# Altium PCB Zynq-Video-Board.PcbDoc (part 6 of 7) (continued)
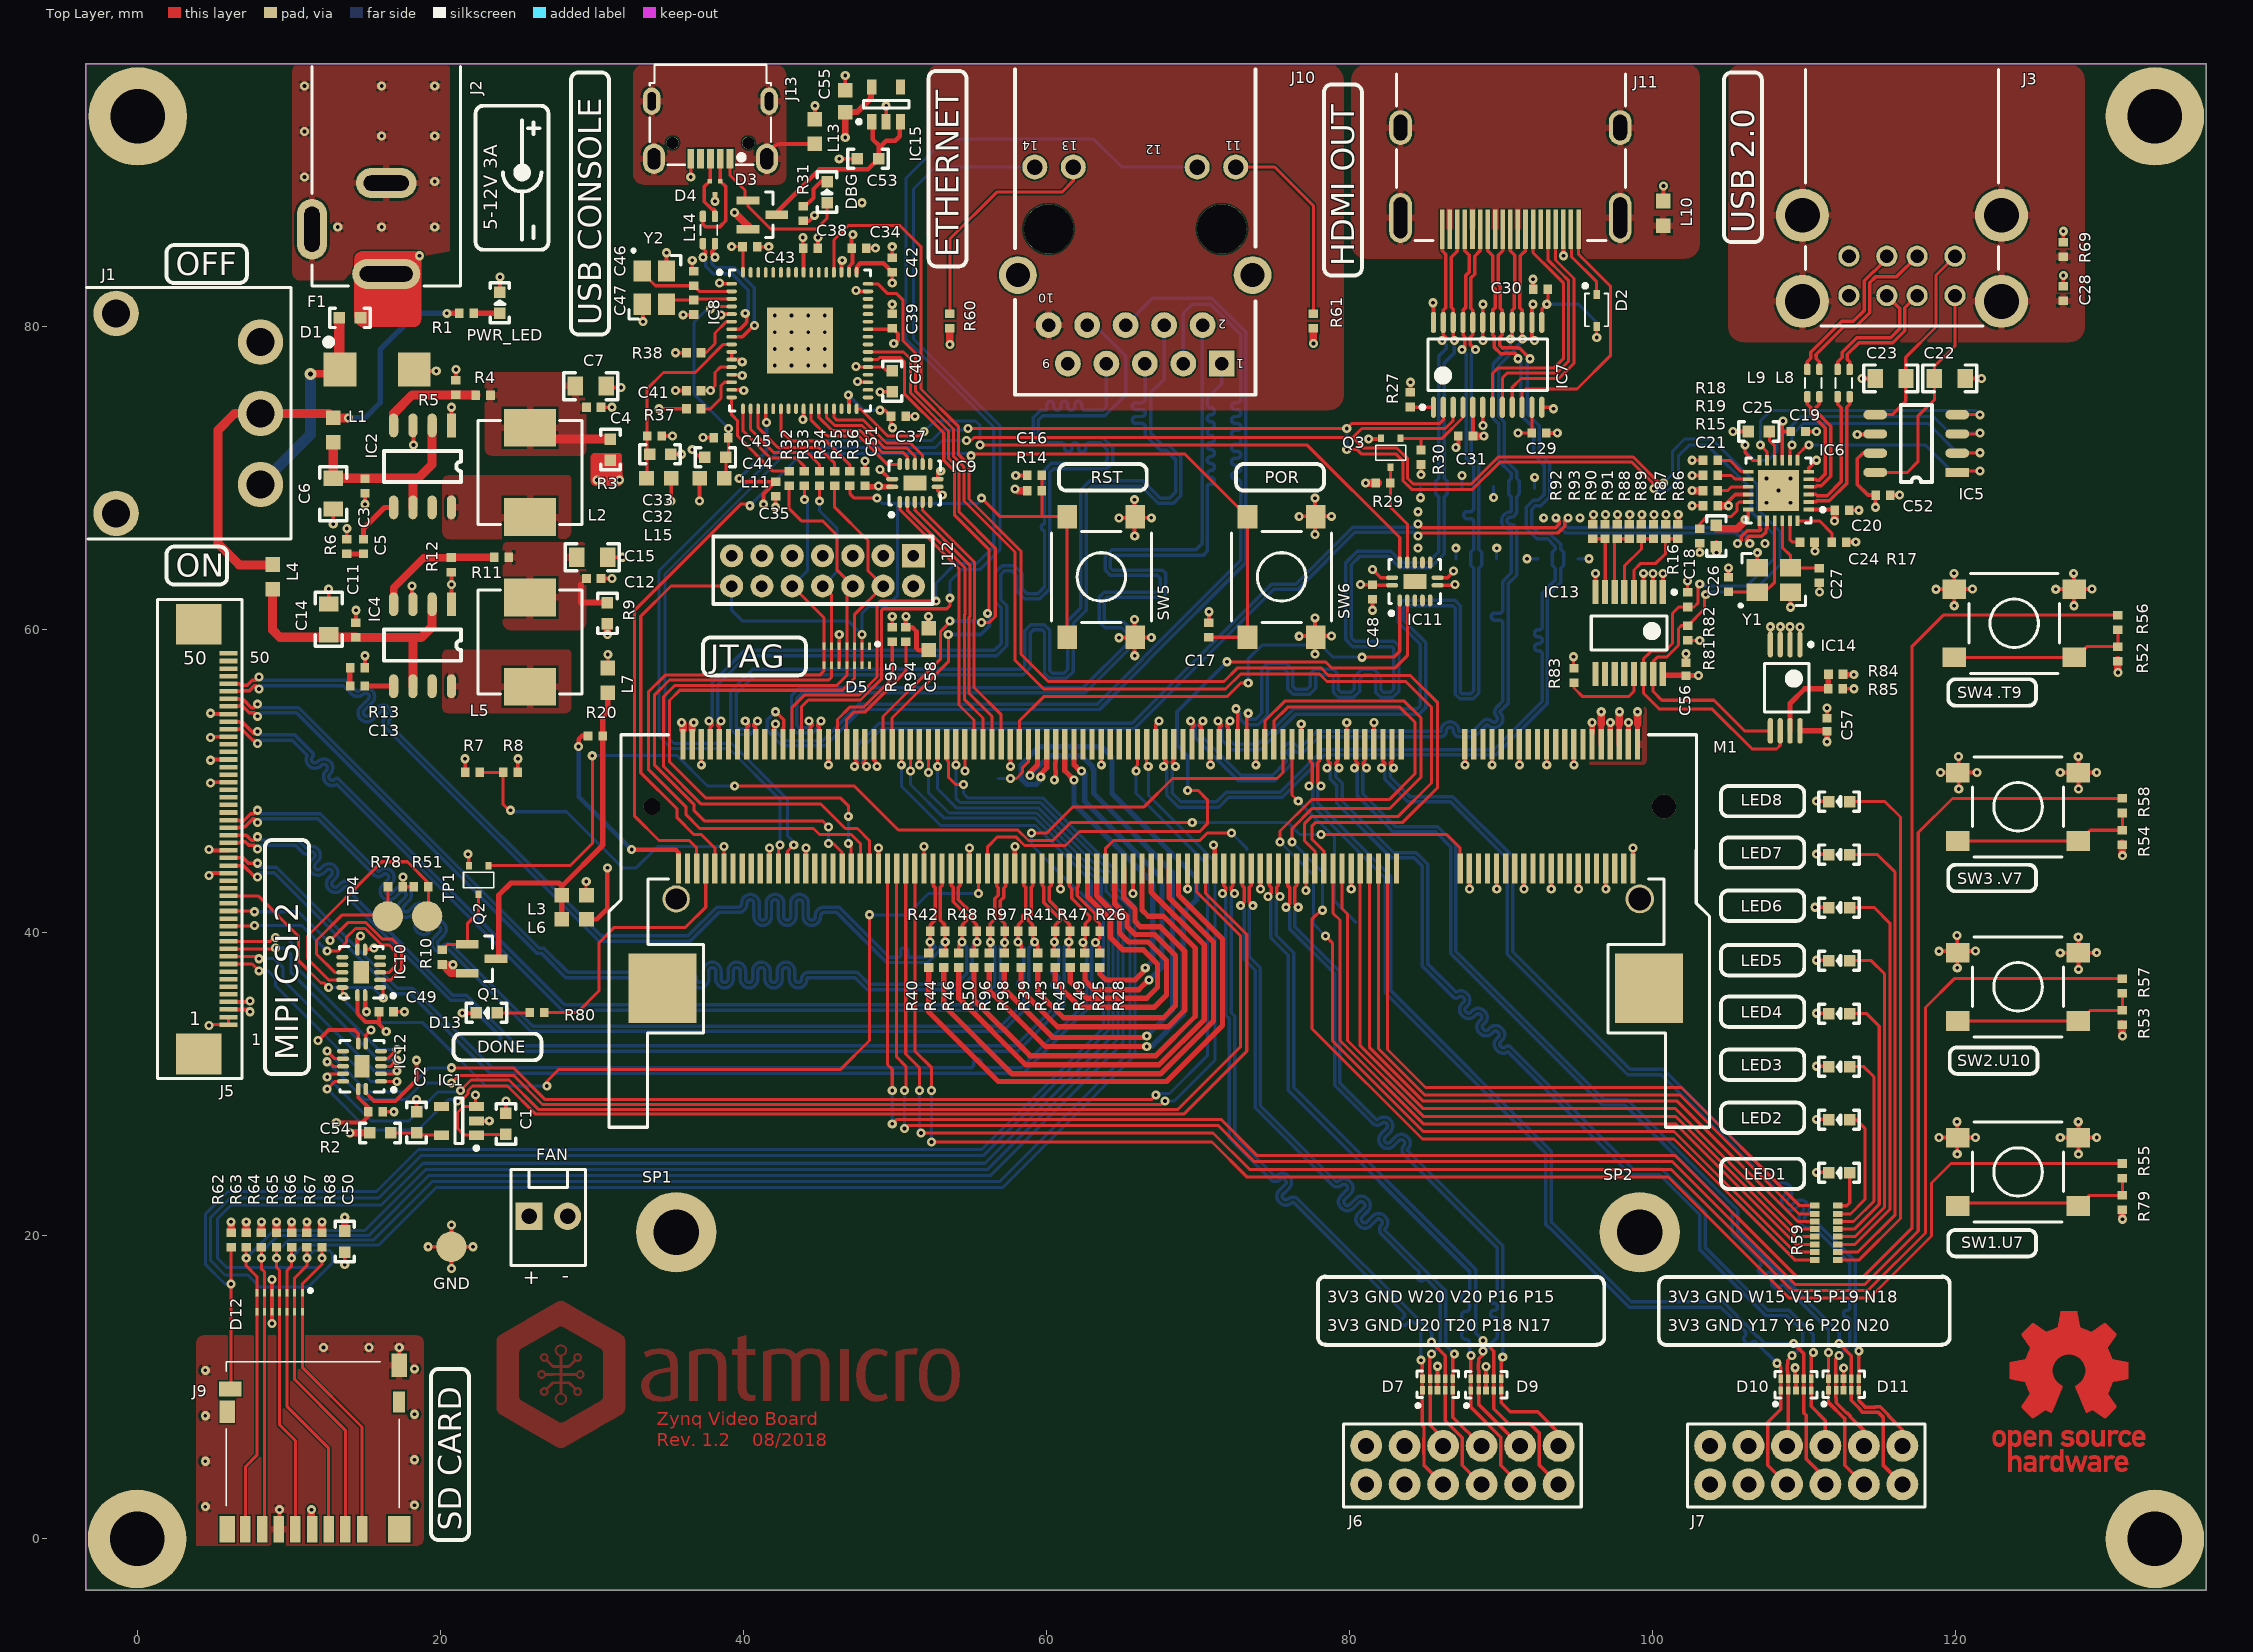
[diagram p0: Top Layer view]
## Nets (pads, with @x,y where several pads share a name; then routed paths per layer and width w, separated by ;. In a path a pad name is that pad's centre, name@x,y a point inside that pad or via, vN(x,y) a via of type N, cw(c..) or ccw(c..) an arc to the next point about the centre after c; other vN are vias at no path point) (continued)
 130.918,10.499 ; 128.429,10.512 130.984,10.512 ; 128.429,11.743 131.011,11.743 ; 128.442,5.189 128.64,5.189 ; 128.442,5.202 128.64,5.202 ; 128.442,5.215 128.64,5.215 ; 128.442,8.87 130.574,8.87 ; 128.442,8.883 130.574,8.883 ; 128.442,10.525 131.064,10.525 ; 128.442,11.717 131.143,11.717 ; 128.442,11.73 131.077,11.73 ; 128.455,5.228 128.654,5.228 ; 128.455,5.242 128.654,5.242 ; 128.455,5.255 128.654,5.255 ; 128.455,5.268 128.667,5.268 ; 128.455,8.83 130.6,8.83 ; 128.455,8.843 130.6,8.843 ; 128.455,8.857 130.587,8.857 ; 128.455,10.538 131.13,10.538 ; 128.455,10.552 131.196,10.552 ; 128.455,11.704 131.223,11.704 ; 128.468,5.281 128.667,5.281 ; 128.468,5.295 128.667,5.295 ; 128.468,5.308 128.68,5.308 ; 128.468,5.321 128.68,5.321 ; 128.468,6.976 128.786,6.976 ; 128.468,8.804 130.627,8.804 ; 128.468,8.817 130.613,8.817 ; 128.468,10.565 131.276,10.565 ; 128.468,11.677 131.355,11.677 ; 128.468,11.69 131.289,11.69 ; 128.482,5.334 128.68,5.334 ; 128.482,5.348 128.693,5.348 ; 128.482,5.361 128.693,5.361 ; 128.482,6.327 128.786,6.327 ; 128.482,8.777 130.64,8.777 ; 128.482,8.79 130.627,8.79 ; 128.482,10.578 131.342,10.578 ; 128.482,10.591 131.395,10.591 ; 128.482,11.651 131.421,11.651 ; 128.482,11.664 131.408,11.664 ; 128.495,5.374 128.693,5.374 ; 128.495,5.387 128.707,5.387 ; 128.495,5.4 128.707,5.4 ; 128.495,5.414 128.707,5.414 ; 128.495,8.737 130.653,8.737 ; 128.495,8.751 130.653,8.751 ; 128.495,8.764 130.64,8.764 ; 128.495,10.605 131.421,10.605 ; 128.495,10.618 131.421,10.618 ; 128.495,11.624 131.434,11.624 ; 128.495,11.637 131.434,11.637 ; 128.508,5.427 128.72,5.427 ; 128.508,5.44 128.72,5.44 ; 128.508,5.453 128.72,5.453 ; 128.508,5.467 128.72,5.467 ; 128.508,6.341 128.799,6.341 ; 128.508,6.963 128.799,6.963 ; 128.508,8.711 130.64,8.711 ; 128.508,8.724 130.64,8.724 ; 128.508,10.631 131.434,10.631 ; 128.508,10.644 131.434,10.644 ; 128.508,11.598 131.434,11.598 ; 128.508,11.611 131.434,11.611 ; 128.521,5.48 128.733,5.48 ; 128.521,5.493 128.733,5.493 ; 128.521,5.506 128.733,5.506 ; 128.521,8.671 130.6,8.671 ; 128.521,8.684 130.613,8.684 ; 128.521,8.698 130.627,8.698 ; 128.521,10.658 131.434,10.658 ; 128.521,10.671 131.434,10.671 ; 128.521,11.571 131.434,11.571 ; 128.521,11.584 131.434,11.584 ; 128.534,6.354 128.799,6.354 ; 128.534,6.95 128.799,6.95 ; 128.534,8.645 130.574,8.645 ; 128.534,8.658 130.587,8.658 ; 128.534,10.684 131.434,10.684 ; 128.534,10.697 131.434,10.697 ; 128.534,10.71 131.434,10.71 ; 128.534,11.545 131.434,11.545 ; 128.534,11.558 131.434,11.558 ; 128.548,8.618 130.547,8.618 ; 128.548,8.632 130.561,8.632 ; 128.548,10.724 131.434,10.724 ; 128.548,10.737 131.434,10.737 ; 128.548,10.75 131.434,10.75 ; 128.548,11.505 131.434,11.505 ; 128.548,11.518 131.434,11.518 ; 128.548,11.531 131.434,11.531 ; 128.561,6.367 128.813,6.367 ; 128.561,6.937 128.813,6.937 ; 128.561,8.579 130.508,8.579 ; 128.561,8.592 130.521,8.592 ; 128.561,8.605 130.534,8.605 ; 128.561,10.763 131.434,10.763 ; 128.561,10.777 131.434,10.777 ; 128.561,10.79 131.434,10.79 ; 128.561,11.465 131.434,11.465 ; 128.561,11.479 131.434,11.479 ; 128.561,11.492 131.434,11.492 ; 128.574,6.38 128.813,6.38 ; 128.574,6.923 128.813,6.923 ; 128.574,8.552 130.481,8.552 ; 128.574,8.565 130.494,8.565 ; 128.574,10.803 131.434,10.803 ; 128.574,10.816 131.434,10.816 ; 128.574,10.83 131.434,10.83 ; 128.574,11.426 131.434,11.426 ; 128.574,11.439 131.434,11.439 ; 128.574,11.452 131.434,11.452 ; 128.587,6.394 128.813,6.394 ; 128.587,6.91 128.813,6.91 ; 128.587,8.512 128.998,8.512 ; 128.587,8.526 129.024,8.526 ; 128.587,8.539 129.064,8.539 ; 128.587,10.843 131.434,10.843 ; 128.587,10.856 131.434,10.856 ; 128.587,10.869 131.434,10.869 ; 128.587,10.883 131.434,10.883 ; 128.587,11.373 131.434,11.373 ; 128.587,11.386 131.434,11.386 ; 128.587,11.399 131.434,11.399 ; 128.587,11.412 131.434,11.412 ; 128.601,6.407 128.826,6.407 ; 128.601,6.42 128.826,6.42 ; 128.601,6.884 128.826,6.884 ; 128.601,6.897 128.826,6.897 ; 128.601,8.486 128.945,8.486 ; 128.601,8.499 128.971,8.499 ; 128.601,10.896 131.434,10.896 ; 128.601,10.909 131.434,10.909 ; 128.601,10.922 131.434,10.922 ; 128.601,10.936 131.434,10.936 ; 128.601,10.949 131.434,10.949 ; 128.601,11.293 131.434,11.293 ; 128.601,11.306 131.434,11.306 ; 128.601,11.32 131.434,11.32 ; 128.601,11.333 131.434,11.333 ; 128.601,11.346 131.434,11.346 ; 128.601,11.359 131.434,11.359 ; 128.614,6.433 128.826,6.433 ; 128.614,6.447 128.826,6.447 ; 128.614,6.857 128.826,6.857 ; 128.614,6.87 128.826,6.87 ; 128.614,8.446 128.879,8.446 ; 128.614,8.459 128.905,8.459 ; 128.614,8.473 128.919,8.473 ; 128.614,10.962 131.434,10.962 ; 128.614,10.975 131.434,10.975 ; 128.614,10.989 131.434,10.989 ; 128.614,11.002 131.434,11.002 ; 128.614,11.015 131.434,11.015 ; 128.614,11.028 131.434,11.028 ; 128.614,11.042 131.434,11.042 ; 128.614,11.055 131.434,11.055 ; 128.614,11.068 131.434,11.068 ; 128.614,11.081 131.434,11.081 ; 128.614,11.095 131.434,11.095 ; 128.614,11.108 131.434,11.108 ; 128.614,11.134 131.434,11.134 ; 128.614,11.147 131.434,11.147 ; 128.614,11.161 131.434,11.161 ; 128.614,11.174 131.434,11.174 ; 128.614,11.187 131.434,11.187 ; 128.614,11.2 131.434,11.2 ; 128.614,11.214 131.434,11.214 ; 128.614,11.227 131.434,11.227 ; 128.614,11.24 131.434,11.24 ; 128.614,11.253 131.434,11.253 ; 128.614,11.267 131.434,11.267 ; 128.614,11.28 131.434,11.28 ; 128.627,6.46 128.826,6.46 ; 128.627,6.473 128.839,6.473 ; 128.627,6.486 128.839,6.486 ; 128.627,6.817 128.839,6.817 ; 128.627,6.831 128.839,6.831 ; 128.627,6.844 128.826,6.844 ; 128.627,8.42 128.826,8.42 ; 128.627,8.433 128.852,8.433 ; 128.627,11.121 131.434,11.121 ; 128.64,6.5 128.839,6.5 ; 128.64,6.513 128.839,6.513 ; 128.64,6.526 128.839,6.526 ; 128.64,6.539 128.839,6.539 ; 128.64,6.553 128.839,6.553 ; 128.64,6.566 128.839,6.566 ; 128.64,6.579 128.839,6.579 ; 128.64,6.592 128.839,6.592 ; 128.64,6.605 128.839,6.605 ; 128.64,6.619 128.839,6.619 ; 128.64,6.632 128.852,6.632 ; 128.64,6.645 128.852,6.645 ; 128.64,6.658 128.852,6.658 ; 128.64,6.672 128.852,6.672 ; 128.64,6.685 128.839,6.685 ; 128.64,6.698 128.839,6.698 ; 128.64,6.711 128.839,6.711 ; 128.64,6.725 128.839,6.725 ; 128.64,6.738 128.839,6.738 ; 128.64,6.751 128.839,6.751 ; 128.64,6.764 128.839,6.764 ; 128.64,6.778 128.839,6.778 ; 128.64,6.791 128.839,6.791 ; 128.64,6.804 128.839,6.804 ; 128.64,8.393 128.773,8.393 ; 128.64,8.406 128.799,8.406 ; 128.654,8.367 128.72,8.367 ; 128.654,8.38 128.746,8.38 ; 128.667,8.353 128.693,8.353 ; 128.773,4.699 128.998,4.699 ; 128.773,4.712 128.985,4.712 ; 128.773,4.725 128.971,4.725 ; 128.773,4.738 128.971,4.738 ; 128.773,4.752 128.971,4.752 ; 128.773,4.765 128.958,4.765 ; 128.773,4.778 128.958,4.778 ; 128.773,4.791 128.958,4.791 ; 128.773,4.805 128.958,4.805 ; 128.773,4.818 128.958,4.818 ; 128.773,4.831 128.971,4.831 ; 128.773,4.844 128.971,4.844 ; 128.786,4.659 129.064,4.659 ; 128.786,4.672 129.038,4.672 ; 128.786,4.685 129.011,4.685 ; 128.786,4.858 128.985,4.858 ; 128.786,4.871 128.998,4.871 ; 128.786,4.884 129.011,4.884 ; 128.786,4.897 129.038,4.897 ; 128.799,4.632 129.607,4.632 ; 128.799,4.646 129.607,4.646 ; 128.799,4.911 129.091,4.911 ; 128.799,4.924 129.607,4.924 ; 128.813,4.606 129.607,4.606 ; 128.813,4.619 129.607,4.619 ; 128.813,4.937 129.607,4.937 ; 128.826,4.593 129.607,4.593 ; 128.826,4.95 129.607,4.95 ; 128.826,4.963 129.607,4.963 ; 128.826,5.374 129.554,5.374 ; 128.839,4.579 129.607,4.579 ; 128.839,4.977 129.607,4.977 ; 128.839,5.361 129.567,5.361 ; 128.839,5.387 129.541,5.387 ; 128.839,5.4 129.541,5.4 ; 128.852,4.566 129.607,4.566 ; 128.852,4.99 129.607,4.99 ; 128.852,5.414 129.528,5.414 ; 128.866,4.553 129.382,4.553 ; 128.866,5.003 129.607,5.003 ; 128.866,5.348 129.567,5.348 ; 128.866,5.427 129.514,5.427 ; 128.879,4.54 129.369,4.54 ; 128.879,5.334 129.157,5.334 ; 128.879,5.44 129.501,5.44 ; 128.892,4.527 129.355,4.527 ; 128.892,5.016 129.607,5.016 ; 128.892,5.321 129.064,5.321 ; 128.905,5.03 129.607,5.03 ; 128.905,5.453 129.475,5.453 ; 128.919,4.513 129.342,4.513 ; 128.919,5.308 129.038,5.308 ; 128.919,5.467 129.448,5.467 ; 128.932,5.043 129.607,5.043 ; 128.932,5.295 129.011,5.295 ; 128.945,4.5 129.329,4.5 ; 128.945,5.281 128.998,5.281 ; 128.945,5.48 129.435,5.48 ; 128.958,5.056 129.607,5.056 ; 128.971,4.487 129.303,4.487 ; 128.971,5.268 128.998,5.268 ; 128.971,5.493 129.395,5.493 ; 129.011,4.474 129.263,4.474 ; 129.011,5.069 129.607,5.069 ; 129.024,5.506 129.355,5.506 ; 129.038,6.42 129.276,6.42 ; 129.038,6.433 129.263,6.433 ; 129.038,6.447 129.263,6.447 ; 129.038,6.46 129.25,6.46 ; 129.038,6.473 129.25,6.473 ; 129.038,6.486 129.25,6.486 ; 129.038,6.5 129.25,6.5 ; 129.038,6.513 129.236,6.513 ; 129.038,6.526 129.236,6.526 ; 129.038,6.539 129.236,6.539 ; 129.038,6.553 129.236,6.553 ; 129.038,6.566 129.236,6.566 ; 129.038,6.579 129.236,6.579 ; 129.038,6.592 129.236,6.592 ; 129.038,6.605 129.236,6.605 ; 129.038,6.619 129.236,6.619 ; 129.038,6.632 129.236,6.632 ; 129.038,6.645 129.236,6.645 ; 129.038,6.658 129.236,6.658 ; 129.038,6.672 129.236,6.672 ; 129.038,6.685 129.236,6.685 ; 129.038,6.698 129.236,6.698 ; 129.038,6.711 129.236,6.711 ; 129.038,6.725 129.236,6.725 ; 129.038,6.738 129.236,6.738 ; 129.038,6.751 129.236,6.751 ; 129.038,6.764 129.236,6.764 ; 129.038,6.778 129.236,6.778 ; 129.038,6.791 129.236,6.791 ; 129.038,6.804 129.236,6.804 ; 129.038,6.817 129.236,6.817 ; 129.038,6.831 129.236,6.831 ; 129.038,6.844 129.236,6.844 ; 129.038,6.857 129.236,6.857 ; 129.038,6.87 129.236,6.87 ; 129.038,6.884 129.236,6.884 ; 129.038,6.897 129.236,6.897 ; 129.038,6.91 129.236,6.91 ; 129.038,6.923 129.236,6.923 ; 129.038,6.937 129.236,6.937 ; 129.038,6.95 129.236,6.95 ; 129.038,6.963 129.236,6.963 ; 129.038,6.976 129.236,6.976 ; 129.038,6.99 129.236,6.99 ; 129.038,7.003 129.236,7.003 ; 129.038,7.016 129.236,7.016 ; 129.038,7.029 129.236,7.029 ; 129.038,7.042 129.236,7.042 ; 129.038,7.056 129.236,7.056 ; 129.038,7.069 129.236,7.069 ; 129.038,7.082 129.236,7.082 ; 129.038,7.095 129.236,7.095 ; 129.038,7.109 129.236,7.109 ; 129.038,7.122 129.236,7.122 ; 129.038,7.135 129.236,7.135 ; 129.038,7.148 129.236,7.148 ; 129.038,7.162 129.236,7.162 ; 129.038,13.677 130.508,13.677 ; 129.051,6.367 129.316,6.367 ; 129.051,6.38 129.303,6.38 ; 129.051,6.394 129.289,6.394 ; 129.051,6.407 129.276,6.407 ; 129.064,6.327 129.395,6.327 ; 129.064,6.341 129.355,6.341 ; 129.064,6.354 129.329,6.354 ; 129.064,13.69 130.494,13.69 ; 129.077,6.301 129.872,6.301 ; 129.077,6.314 129.872,6.314 ; 129.077,13.703 130.481,13.703 ; 129.091,6.274 129.872,6.274 ; 129.091,6.288 129.872,6.288 ; 129.091,8.539 130.468,8.539 ; 129.091,13.716 130.468,13.716 ; 129.104,5.52 129.276,5.52 ; 129.104,6.261 129.872,6.261 ; 129.117,4.46 129.157,4.46 ; 129.117,6.248 129.872,6.248 ; 129.117,8.526 130.455,8.526 ; 129.117,13.73 130.455,13.73 ; 129.13,6.235 129.647,6.235 ; 129.13,13.743 130.441,13.743 ; 129.144,6.221 129.634,6.221 ; 129.144,8.512 130.441,8.512 ; 129.157,6.208 129.62,6.208 ; 129.157,8.499 130.428,8.499 ; 129.157,13.756 130.428,13.756 ; 129.17,6.195 129.607,6.195 ; 129.17,13.769 130.415,13.769 ; 129.183,6.182 129.594,6.182 ; 129.183,8.486 130.415,8.486 ; 129.197,5.334 129.581,5.334 ; 129.197,8.473 130.402,8.473 ; 129.197,13.783 130.402,13.783 ; 129.21,6.169 129.567,6.169 ; 129.21,13.796 130.388,13.796 ; 129.223,8.459 130.388,8.459 ; 129.236,6.155 129.541,6.155 ; 129.236,8.446 130.375,8.446 ; 129.236,13.809 130.375,13.809 ; 129.25,8.433 130.362,8.433 ; 129.25,13.822 130.362,13.822 ; 129.263,6.142 129.514,6.142 ; 129.276,8.42 130.349,8.42 ; 129.276,13.836 130.349,13.836 ; 129.289,8.406 130.335,8.406 ; 129.289,13.849 130.335,13.849 ; 129.303,4.659 129.607,4.659 ; 129.303,5.321 129.581,5.321 ; 129.303,6.129 129.475,6.129 ; 129.316,8.393 130.322,8.393 ; 129.316,13.862 130.322,13.862 ; 129.329,4.672 129.607,4.672 ; 129.329,8.38 130.309,8.38 ; 129.329,13.875 130.309,13.875 ; 129.342,5.308 129.581,5.308 ; 129.342,13.889 130.296,13.889 ; 129.355,4.685 129.607,4.685 ; 129.355,5.295 129.594,5.295 ; 129.355,8.367 130.296,8.367 ; 129.369,4.699 129.607,4.699 ; 129.369,8.353 130.282,8.353 ; 129.369,13.902 130.282,13.902 ; 129.382,4.712 129.607,4.712 ; 129.382,4.725 129.607,4.725 ; 129.382,5.268 129.594,5.268 ; 129.382,5.281 129.594,5.281 ; 129.382,13.915 130.269,13.915 ; 129.395,4.738 129.607,4.738 ; 129.395,4.752 129.607,4.752 ; 129.395,4.765 129.607,4.765 ; 129.395,4.778 129.607,4.778 ; 129.395,4.791 129.607,4.791 ; 129.395,4.805 129.607,4.805 ; 129.395,4.818 129.607,4.818 ; 129.395,4.911 129.607,4.911 ; 129.395,5.083 129.607,5.083 ; 129.395,5.215 129.607,5.215 ; 129.395,5.228 129.594,5.228 ; 129.395,5.242 129.594,5.242 ; 129.395,5.255 129.594,5.255 ; 129.395,8.34 130.269,8.34 ; 129.408,4.474 129.607,4.474 ; 129.408,4.487 129.607,4.487 ; 129.408,4.5 129.607,4.5 ; 129.408,4.513 129.607,4.513 ; 129.408,4.527 129.607,4.527 ; 129.408,4.54 129.607,4.54 ; 129.408,4.553 129.607,4.553 ; 129.408,4.831 129.607,4.831 ; 129.408,4.844 129.607,4.844 ; 129.408,4.858 129.607,4.858 ; 129.408,4.871 129.607,4.871 ; 129.408,4.884 129.607,4.884 ; 129.408,4.897 129.607,4.897 ; 129.408,5.096 129.607,5.096 ; 129.408,5.109 129.607,5.109 ; 129.408,5.122 129.607,5.122 ; 129.408,5.136 129.607,5.136 ; 129.408,5.149 129.607,5.149 ; 129.408,5.162 129.607,5.162 ; 129.408,5.175 129.607,5.175 ; 129.408,5.189 129.607,5.189 ; 129.408,5.202 129.607,5.202 ; 129.408,8.327 130.256,8.327 ; 129.408,13.928 130.256,13.928 ; 129.422,13.942 130.243,13.942 ; 129.435,8.314 130.243,8.314 ; 129.448,8.3 130.229,8.3 ; 129.448,13.955 130.229,13.955 ; 129.461,8.287 130.216,8.287 ; 129.461,13.968 130.216,13.968 ; 129.488,8.274 130.203,8.274 ; 129.488,13.981 130.203,13.981 ; 129.501,6.327 129.872,6.327 ; 129.501,8.261 130.19,8.261 ; 129.501,13.994 130.19,13.994 ; 129.528,8.247 130.176,8.247 ; 129.528,14.008 130.176,14.008 ; 129.541,6.341 129.872,6.341 ; 129.541,8.234 130.163,8.234 ; 129.541,14.021 130.163,14.021 ; 129.554,14.034 130.15,14.034 ; 129.567,6.354 129.872,6.354 ; 129.567,8.221 130.15,8.221 ; 129.581,8.208 130.137,8.208 ; 129.581,14.047 130.137,14.047 ; 129.594,6.367 129.872,6.367 ; 129.594,14.061 130.124,14.061 ; 129.607,6.38 129.872,6.38 ; 129.607,6.394 129.872,6.394 ; 129.607,8.195 130.124,8.195 ; 129.62,6.407 129.872,6.407 ; 129.62,8.181 130.11,8.181 ; 129.62,14.074 130.11,14.074 ; 129.634,6.42 129.872,6.42 ; 129.634,6.433 129.872,6.433 ; 129.634,14.087 130.097,14.087 ; 129.647,6.447 129.872,6.447 ; 129.647,6.46 129.872,6.46 ; 129.647,8.168 130.097,8.168 ; 129.66,6.142 129.872,6.142 ; 129.66,6.155 129.872,6.155 ; 129.66,6.169 129.872,6.169 ; 129.66,6.182 129.872,6.182 ; 129.66,6.195 129.872,6.195 ; 129.66,6.208 129.872,6.208 ; 129.66,6.221 129.872,6.221 ; 129.66,6.235 129.872,6.235 ; 129.66,6.473 129.872,6.473 ; 129.66,6.486 129.872,6.486 ; 129.66,6.5 129.872,6.5 ; 129.66,6.513 129.872,6.513 ; 129.66,6.526 129.872,6.526 ; 129.66,6.539 129.872,6.539 ; 129.66,6.553 129.872,6.553 ; 129.66,6.566 129.872,6.566 ; 129.66,6.579 129.872,6.579 ; 129.66,6.592 129.872,6.592 ; 129.66,6.605 129.872,6.605 ; 129.66,6.619 129.872,6.619 ; 129.66,6.632 129.872,6.632 ; 129.66,6.645 129.872,6.645 ; 129.66,6.658 129.872,6.658 ; 129.66,6.672 129.872,6.672 ; 129.66,6.685 129.872,6.685 ; 129.66,6.698 129.872,6.698 ; 129.66,6.711 129.872,6.711 ; 129.66,6.725 129.872,6.725 ; 129.66,6.738 129.872,6.738 ; 129.66,6.751 129.872,6.751 ; 129.66,6.764 129.872,6.764 ; 129.66,6.778 129.872,6.778 ; 129.66,6.791 129.872,6.791 ; 129.66,6.804 129.872,6.804 ; 129.66,6.817 129.872,6.817 ; 129.66,6.831 129.872,6.831 ; 129.66,6.844 129.872,6.844 ; 129.66,6.857 129.872,6.857 ; 129.66,6.87 129.872,6.87 ; 129.66,6.884 129.872,6.884 ; 129.66,6.897 129.872,6.897 ; 129.66,6.91 129.872,6.91 ; 129.66,6.923 129.872,6.923 ; 129.66,6.937 129.872,6.937 ; 129.66,6.95 129.872,6.95 ; 129.66,6.963 129.872,6.963 ; 129.66,6.976 129.872,6.976 ; 129.66,6.99 129.872,6.99 ; 129.66,7.003 129.872,7.003 ; 129.66,7.016 129.872,7.016 ; 129.66,7.029 129.872,7.029 ; 129.66,7.042 129.872,7.042 ; 129.66,7.056 129.872,7.056 ; 129.66,7.069 129.872,7.069 ; 129.66,7.082 129.872,7.082 ; 129.66,7.095 129.872,7.095 ; 129.66,7.109 129.872,7.109 ; 129.66,7.122 129.872,7.122 ; 129.66,7.135 129.872,7.135 ; 129.66,7.148 129.872,7.148 ; 129.66,7.162 129.872,7.162 ; 129.66,8.155 130.084,8.155 ; 129.66,14.1 130.084,14.1 ; 129.673,8.142 130.071,8.142 ; 129.673,14.114 130.071,14.114 ; 129.7,8.128 130.057,8.128 ; 129.7,14.127 130.057,14.127 ; 129.713,8.115 130.044,8.115 ; 129.713,14.14 130.044,14.14 ; 129.74,8.102 130.031,8.102 ; 129.74,14.153 130.031,14.153 ; 129.753,8.089 130.018,8.089 ; 129.753,14.167 130.018,14.167 ; 129.766,14.18 130.004,14.18 ; 129.779,8.075 130.004,8.075 ; 129.792,8.062 129.991,8.062 ; 129.792,14.193 129.991,14.193 ; 129.806,14.206 129.978,14.206 ; 129.819,8.049 129.978,8.049 ; 129.832,8.036 129.965,8.036 ; 129.832,14.22 129.965,14.22 ; 129.845,4.474 130.044,4.474 ; 129.845,4.487 130.044,4.487 ; 129.845,4.5 130.044,4.5 ; 129.845,4.513 130.044,4.513 ; 129.845,4.527 130.044,4.527 ; 129.845,4.54 130.044,4.54 ; 129.845,4.553 130.044,4.553 ; 129.845,4.566 130.044,4.566 ; 129.845,4.579 130.044,4.579 ; 129.845,4.593 130.044,4.593 ; 129.845,4.606 130.044,4.606 ; 129.845,4.619 130.044,4.619 ; 129.845,4.632 130.044,4.632 ; 129.845,4.646 130.044,4.646 ; 129.845,4.659 130.044,4.659 ; 129.845,4.672 130.044,4.672 ; 129.845,4.685 130.044,4.685 ; 129.845,4.699 130.044,4.699 ; 129.845,4.712 130.044,4.712 ; 129.845,4.725 130.044,4.725 ; 129.845,4.738 130.044,4.738 ; 129.845,4.752 130.044,4.752 ; 129.845,4.765 130.044,4.765 ; 129.845,4.778 130.044,4.778 ; 129.845,4.791 130.044,4.791 ; 129.845,4.805 130.044,4.805 ; 129.845,4.818 130.044,4.818 ; 129.845,4.831 130.044,4.831 ; 129.845,4.844 130.044,4.844 ; 129.845,4.858 130.044,4.858 ; 129.845,4.871 130.044,4.871 ; 129.845,4.884 130.044,4.884 ; 129.845,4.897 130.044,4.897 ; 129.845,4.911 130.044,4.911 ; 129.845,4.924 130.044,4.924 ; 129.845,4.937 130.044,4.937 ; 129.845,4.95 130.044,4.95 ; 129.845,4.963 130.044,4.963 ; 129.845,4.977 130.044,4.977 ; 129.845,4.99 130.044,4.99 ; 129.845,5.003 130.044,5.003 ; 129.845,5.016 130.044,5.016 ; 129.845,5.03 130.044,5.03 ; 129.845,5.043 130.044,5.043 ; 129.845,5.056 130.044,5.056 ; 129.845,5.069 130.044,5.069 ; 129.845,5.083 130.044,5.083 ; 129.845,5.096 130.044,5.096 ; 129.845,5.109 130.044,5.109 ; 129.845,5.122 130.044,5.122 ; 129.845,5.136 130.044,5.136 ; 129.845,5.149 130.057,5.149 ; 129.845,5.162 130.057,5.162 ; 129.845,5.175 130.057,5.175 ; 129.845,5.189 130.057,5.189 ; 129.845,5.202 130.071,5.202 ; 129.845,5.215 130.071,5.215 ; 129.845,5.228 130.084,5.228 ; 129.845,5.242 130.084,5.242 ; 129.845,5.255 130.097,5.255 ; 129.845,5.268 130.11,5.268 ; 129.845,5.281 130.124,5.281 ; 129.845,5.295 130.15,5.295 ; 129.845,5.308 130.176,5.308 ; 129.845,5.321 130.229,5.321 ; 129.845,5.334 130.441,5.334 ; 129.845,5.348 130.455,5.348 ; 129.845,5.361 130.468,5.361 ; 129.845,5.374 130.481,5.374 ; 129.845,5.387 130.494,5.387 ; 129.845,5.4 130.508,5.4 ; 129.845,5.414 130.044,5.414 ; 129.845,5.427 130.044,5.427 ; 129.845,5.44 130.044,5.44 ; 129.845,5.453 130.044,5.453 ; 129.845,5.467 130.044,5.467 ; 129.845,5.48 130.044,5.48 ; 129.845,5.493 130.044,5.493 ; 129.845,5.506 130.044,5.506 ; 129.845,14.233 129.951,14.233 ; 129.859,8.022 129.951,8.022 ; 129.872,8.009 129.925,8.009 ; 129.872,14.246 129.938,14.246 ; 130.071,5.414 130.508,5.414 ; 130.084,5.427 130.521,5.427 ; 130.097,5.44 130.534,5.44 ; 130.11,5.453 130.534,5.453 ; 130.11,6.142 130.309,6.142 ; 130.11,6.155 130.309,6.155 ; 130.11,6.169 130.309,6.169 ; 130.11,6.182 130.309,6.182 ; 130.11,6.195 130.309,6.195 ; 130.11,6.208 130.309,6.208 ; 130.11,6.221 130.309,6.221 ; 130.11,6.235 130.309,6.235 ; 130.11,6.248 130.309,6.248 ; 130.11,6.261 130.309,6.261 ; 130.11,6.274 130.309,6.274 ; 130.11,6.288 130.309,6.288 ; 130.11,6.301 130.309,6.301 ; 130.11,6.314 130.309,6.314 ; 130.11,6.327 130.309,6.327 ; 130.11,6.341 130.309,6.341 ; 130.11,6.354 130.309,6.354 ; 130.11,6.367 130.309,6.367 ; 130.11,6.38 130.309,6.38 ; 130.11,6.394 130.309,6.394 ; 130.11,6.407 130.309,6.407 ; 130.11,6.42 130.309,6.42 ; 130.11,6.433 130.309,6.433 ; 130.11,6.447 130.309,6.447 ; 130.11,6.46 130.309,6.46 ; 130.11,6.473 130.309,6.473 ; 130.11,6.486 130.309,6.486 ; 130.11,6.5 130.309,6.5 ; 130.11,6.513 130.309,6.513 ; 130.11,6.526 130.309,6.526 ; 130.11,6.539 130.309,6.539 ; 130.11,6.553 130.309,6.553 ; 130.11,6.566 130.309,6.566 ; 130.11,6.579 130.309,6.579 ; 130.11,6.592 130.309,6.592 ; 130.11,6.605 130.309,6.605 ; 130.11,6.619 130.309,6.619 ; 130.11,6.632 130.309,6.632 ; 130.11,6.645 130.309,6.645 ; 130.11,6.658 130.309,6.658 ; 130.11,6.672 130.309,6.672 ; 130.11,6.685 130.309,6.685 ; 130.11,6.698 130.309,6.698 ; 130.11,6.711 130.309,6.711 ; 130.11,6.725 130.309,6.725 ; 130.11,6.738 130.309,6.738 ; 130.11,6.751 130.309,6.751 ; 130.11,6.764 130.309,6.764 ; 130.11,6.778 130.309,6.778 ; 130.11,6.791 130.309,6.791 ; 130.11,6.804 130.309,6.804 ; 130.11,6.817 130.309,6.817 ; 130.11,6.831 130.322,6.831 ; 130.11,6.844 130.322,6.844 ; 130.11,6.857 130.322,6.857 ; 130.11,6.87 130.335,6.87 ; 130.11,6.884 130.335,6.884 ; 130.11,6.897 130.349,6.897 ; 130.11,6.91 130.362,6.91 ; 130.11,6.923 130.375,6.923 ; 130.11,6.937 130.388,6.937 ; 130.11,6.95 130.402,6.95 ; 130.11,6.963 130.428,6.963 ; 130.11,6.976 130.468,6.976 ; 130.11,6.99 130.706,6.99 ; 130.11,7.003 130.719,7.003 ; 130.11,7.016 130.733,7.016 ; 130.11,7.029 130.733,7.029 ; 130.11,7.042 130.746,7.042 ; 130.11,7.056 130.759,7.056 ; 130.11,7.069 130.309,7.069 ; 130.11,7.082 130.309,7.082 ; 130.11,7.095 130.309,7.095 ; 130.11,7.109 130.309,7.109 ; 130.11,7.122 130.309,7.122 ; 130.11,7.135 130.309,7.135 ; 130.11,7.148 130.309,7.148 ; 130.11,7.162 130.309,7.162 ; 130.137,5.467 130.521,5.467 ; 130.15,5.48 130.494,5.48 ; 130.176,5.493 130.468,5.493 ; 130.216,5.506 130.428,5.506 ; 130.282,5.321 130.441,5.321 ; 130.282,5.52 130.388,5.52 ; 130.335,5.308 130.428,5.308 ; 130.335,7.069 130.772,7.069 ; 130.349,7.082 130.786,7.082 ; 130.362,5.295 130.415,5.295 ; 130.362,7.095 130.799,7.095 ; 130.375,5.281 130.402,5.281 ; 130.375,7.109 130.799,7.109 ; 130.388,7.122 130.786,7.122 ; 130.415,7.135 130.759,7.135 ; 130.428,7.148 130.733,7.148 ; 130.468,7.162 130.706,7.162 ; 130.508,7.175 130.666,7.175 ; 130.561,4.884 130.759,4.884 ; 130.561,4.897 130.759,4.897 ; 130.561,4.911 130.759,4.911 ; 130.561,4.924 131.421,4.924 ; 130.561,4.937 131.421,4.937 ; 130.561,4.95 131.421,4.95 ; 130.561,4.963 131.421,4.963 ; 130.561,4.977 131.421,4.977 ; 130.561,4.99 131.408,4.99 ; 130.561,5.003 131.421,5.003 ; 130.561,5.016 131.421,5.016 ; 130.561,5.03 131.421,5.03 ; 130.561,5.043 131.421,5.043 ; 130.561,5.056 131.421,5.056 ; 130.561,5.069 131.421,5.069 ; 130.561,5.083 130.759,5.083 ; 130.561,5.096 130.759,5.096 ; 130.574,4.805 130.772,4.805 ; 130.574,4.818 130.772,4.818 ; 130.574,4.831 130.772,4.831 ; 130.574,4.844 130.772,4.844 ; 130.574,4.858 130.759,4.858 ; 130.574,4.871 130.759,4.871 ; 130.574,5.109 130.759,5.109 ; 130.574,5.122 130.759,5.122 ; 130.574,5.136 130.759,5.136 ; 130.574,5.149 130.772,5.149 ; 130.574,5.162 130.772,5.162 ; 130.574,5.175 130.772,5.175 ; 130.574,6.976 130.693,6.976 ; 130.587,4.752 130.799,4.752 ; 130.587,4.765 130.799,4.765 ; 130.587,4.778 130.786,4.778 ; 130.587,4.791 130.786,4.791 ; 130.587,5.189 130.772,5.189 ; 130.587,5.202 130.786,5.202 ; 130.587,5.215 130.786,5.215 ; 130.587,5.228 130.799,5.228 ; 130.6,4.725 130.825,4.725 ; 130.6,4.738 130.812,4.738 ; 130.6,5.242 130.799,5.242 ; 130.6,5.255 130.812,5.255 ; 130.6,6.963 130.68,6.963 ; 130.613,4.699 130.852,4.699 ; 130.613,4.712 130.839,4.712 ; 130.613,5.268 130.825,5.268 ; 130.613,5.281 130.839,5.281 ; 130.627,4.672 130.892,4.672 ; 130.627,4.685 130.865,4.685 ; 130.627,5.295 130.852,5.295 ; 130.627,5.308 130.878,5.308 ; 130.627,6.95 130.666,6.95 ; 130.64,4.646 131.368,4.646 ; 130.64,4.659 130.931,4.659 ; 130.64,5.321 130.905,5.321 ; 130.64,5.334 130.971,5.334 ; 130.653,4.632 131.382,4.632 ; 130.653,5.348 131.342,5.348 ; 130.653,6.937 130.666,6.937 ; 130.666,4.606 131.368,4.606 ; 130.666,4.619 131.382,4.619 ; 130.666,5.361 131.329,5.361 ; 130.666,5.374 131.315,5.374 ; 130.68,4.593 131.355,4.593 ; 130.68,5.387 131.302,5.387 ; 130.693,4.579 131.342,4.579 ; 130.693,5.4 131.289,5.4 ; 130.706,4.566 131.329,4.566 ; 130.706,5.414 131.276,5.414 ; 130.719,4.553 131.315,4.553 ; 130.719,5.427 131.262,5.427 ; 130.733,5.44 131.249,5.44 ; 130.746,4.54 131.289,4.54 ; 130.746,5.453 131.223,5.453 ; 130.759,4.527 131.276,4.527 ; 130.772,5.467 131.209,5.467 ; 130.786,4.513 131.249,4.513 ; 130.786,6.645 130.997,6.645 ; 130.786,6.658 130.997,6.658 ; 130.799,5.48 131.183,5.48 ; 130.799,6.513 131.011,6.513 ; 130.799,6.526 131.011,6.526 ; 130.799,6.539 131.011,6.539 ; 130.799,6.553 130.997,6.553 ; 130.799,6.566 130.997,6.566 ; 130.799,6.579 130.997,6.579 ; 130.799,6.592 130.997,6.592 ; 130.799,6.605 130.997,6.605 ; 130.799,6.619 130.997,6.619 ; 130.799,6.632 130.997,6.632 ; 130.799,6.672 130.997,6.672 ; 130.799,6.685 130.997,6.685 ; 130.799,6.698 130.997,6.698 ; 130.799,6.711 130.997,6.711 ; 130.799,6.725 130.997,6.725 ; 130.799,6.738 130.997,6.738 ; 130.799,6.751 130.997,6.751 ; 130.799,6.764 131.011,6.764 ; 130.799,6.778 131.011,6.778 ; 130.799,6.791 131.011,6.791 ; 130.812,4.5 131.223,4.5 ; 130.812,6.46 131.024,6.46 ; 130.812,6.473 131.024,6.473 ; 130.812,6.486 131.024,6.486 ; 130.812,6.5 131.011,6.5 ; 130.812,6.804 131.011,6.804 ; 130.812,6.817 131.024,6.817 ; 130.812,6.831 131.024,6.831 ; 130.812,6.844 131.024,6.844 ; 130.825,5.493 131.156,5.493 ; 130.825,6.407 131.064,6.407 ; 130.825,6.42 131.05,6.42 ; 130.825,6.433 131.037,6.433 ; 130.825,6.447 131.037,6.447 ; 130.825,6.857 131.037,6.857 ; 130.825,6.87 131.037,6.87 ; 130.825,6.884 131.05,6.884 ; 130.839,4.487 131.183,4.487 ; 130.839,6.38 131.09,6.38 ; 130.839,6.394 131.077,6.394 ; 130.839,6.897 131.064,6.897 ; 130.839,6.91 131.077,6.91 ; 130.839,6.923 131.09,6.923 ; 130.852,6.354 131.13,6.354 ; 130.852,6.367 131.103,6.367 ; 130.852,6.937 131.103,6.937 ; 130.852,6.95 131.13,6.95 ; 130.865,5.506 131.103,5.506 ; 130.865,6.327 131.196,6.327 ; 130.865,6.341 131.156,6.341 ; 130.865,6.963 131.156,6.963 ; 130.865,6.976 131.196,6.976 ; 130.878,6.314 131.607,6.314 ; 130.878,6.99 131.607,6.99 ; 130.892,4.474 131.143,4.474 ; 130.892,6.301 131.633,6.301 ; 130.892,7.003 131.633,7.003 ; 130.905,6.274 131.607,6.274 ; 130.905,6.288 131.62,6.288 ; 130.905,7.016 131.62,7.016 ; 130.905,7.029 131.607,7.029 ; 130.918,6.261 131.593,6.261 ; 130.918,7.042 131.593,7.042 ; 130.931,5.52 131.037,5.52 ; 130.931,6.248 131.58,6.248 ; 130.931,7.056 131.58,7.056 ; 130.945,6.235 131.567,6.235 ; 130.945,7.069 131.567,7.069 ; 130.958,6.221 131.554,6.221 ; 130.958,7.082 131.554,7.082 ; 130.984,6.208 131.54,6.208 ; 130.984,7.095 131.527,7.095 ; 130.997,4.46 131.037,4.46 ; 130.997,5.334 131.342,5.334 ; 130.997,6.195 131.514,6.195 ; 130.997,7.109 131.514,7.109 ; 131.024,6.182 131.487,6.182 ; 131.024,7.122 131.487,7.122 ; 131.05,6.169 131.474,6.169 ; 131.05,7.135 131.474,7.135 ; 131.064,5.321 131.355,5.321 ; 131.077,6.155 131.434,6.155 ; 131.077,7.148 131.434,7.148 ; 131.09,4.659 131.355,4.659 ; 131.09,5.308 131.355,5.308 ; 131.117,5.295 131.368,5.295 ; 131.117,6.142 131.408,6.142 ; 131.117,7.162 131.395,7.162 ; 131.13,4.672 131.329,4.672 ; 131.13,5.281 131.368,5.281 ; 131.143,5.268 131.382,5.268 ; 131.156,4.685 131.315,4.685 ; 131.156,5.255 131.382,5.255 ; 131.156,6.129 131.355,6.129 ; 131.17,5.228 131.395,5.228 ; 131.17,5.242 131.395,5.242 ; 131.17,7.175 131.355,7.175 ; 131.183,4.699 131.302,4.699 ; 131.183,5.202 131.395,5.202 ; 131.183,5.215 131.395,5.215 ; 131.196,4.712 131.289,4.712 ; 131.196,5.162 131.408,5.162 ; 131.196,5.175 131.408,5.175 ; 131.196,5.189 131.408,5.189 ; 131.209,5.083 131.408,5.083 ; 131.209,5.096 131.408,5.096 ; 131.209,5.109 131.408,5.109 ; 131.209,5.122 131.408,5.122 ; 131.209,5.136 131.408,5.136 ; 131.209,5.149 131.408,5.149 ; 131.223,4.725 131.276,4.725 ; 131.236,4.738 131.262,4.738 ; 131.329,6.327 131.593,6.327 ; 131.329,6.976 131.593,6.976 ; 131.368,6.341 131.58,6.341 ; 131.368,6.963 131.58,6.963 ; 131.395,6.354 131.567,6.354 ; 131.395,6.95 131.567,6.95 ; 131.421,6.367 131.554,6.367 ; 131.421,6.937 131.554,6.937 ; 131.434,6.38 131.54,6.38